# KiCad board AmigaPCI Mainboard.kicad_pcb (continued)
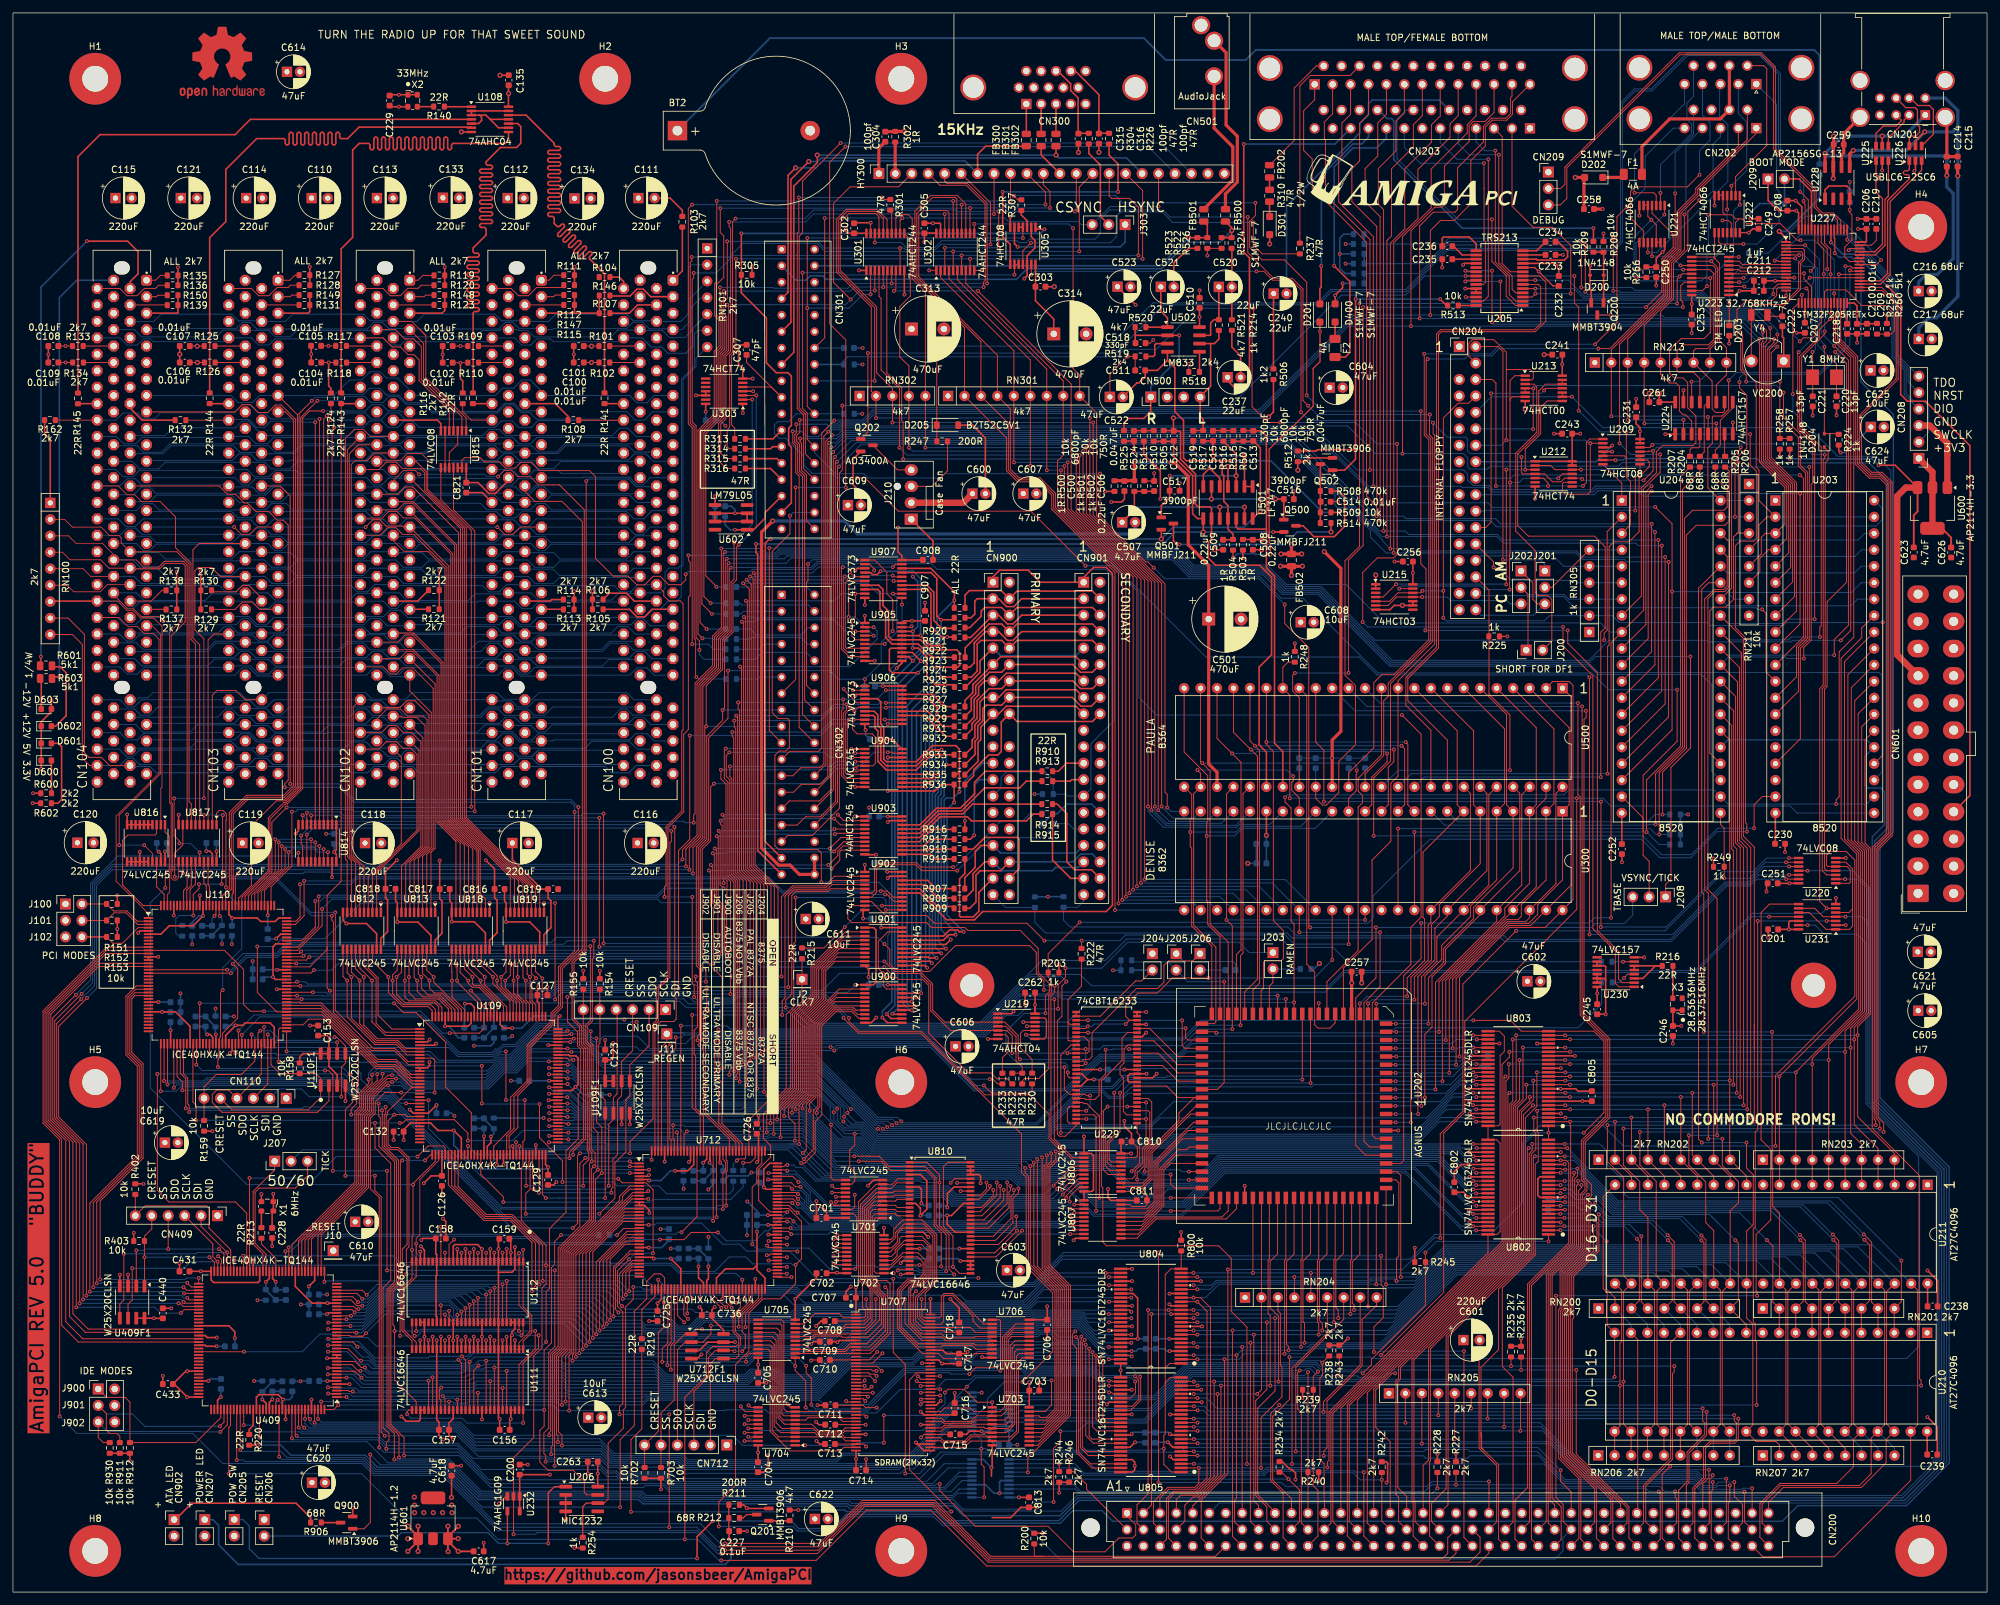
[diagram p0: board, top side]
## Footprints (pads in the part's own frame, mm; a bottom-side part is the same pattern mirrored in y, then rotated) (continued)
DIP-40_W15.24mm_Socket
  rect 1.6x1.6 hole 0.8: 1(0,0)
  oval 1.6x1.6 hole 0.8: 2(0,-2.54) 3(0,-5.08) 4(0,-7.62) 5(0,-10.16) 6(0,-12.7) 7(0,-15.24) 8(0,-17.78) 9(0,-20.32) 10(0,-22.86) 11(0,-25.4) 12(0,-27.94) 13(0,-30.48) 14(0,-33.02) 15(0,-35.56) 16(0,-38.1) 17(0,-40.64) 18(0,-43.18) 19(0,-45.72) 20(0,-48.26) 21(15.24,-48.26) 22(15.24,-45.72) 23(15.24,-43.18) 24(15.24,-40.64) 25(15.24,-38.1) 26(15.24,-35.56) 27(15.24,-33.02) 28(15.24,-30.48) 29(15.24,-27.94) 30(15.24,-25.4) 31(15.24,-22.86) 32(15.24,-20.32) 33(15.24,-17.78) 34(15.24,-15.24) 35(15.24,-12.7) 36(15.24,-10.16) 37(15.24,-7.62) 38(15.24,-5.08) 39(15.24,-2.54) 40(15.24,0)
DIP-48_W15.24mm
  rect 1.6x1.6 hole 0.8: 1(0,0)
  oval 1.6x1.6 hole 0.8: 2(0,-2.54) 3(0,-5.08) 4(0,-7.62) 5(0,-10.16) 6(0,-12.7) 7(0,-15.24) 8(0,-17.78) 9(0,-20.32) 10(0,-22.86) 11(0,-25.4) 12(0,-27.94) 13(0,-30.48) 14(0,-33.02) 15(0,-35.56) 16(0,-38.1) 17(0,-40.64) 18(0,-43.18) 19(0,-45.72) 20(0,-48.26) 21(0,-50.8) 22(0,-53.34) 23(0,-55.88) 24(0,-58.42) 25(15.24,-58.42) 26(15.24,-55.88) 27(15.24,-53.34) 28(15.24,-50.8) 29(15.24,-48.26) 30(15.24,-45.72) 31(15.24,-43.18) 32(15.24,-40.64) 33(15.24,-38.1) 34(15.24,-35.56) 35(15.24,-33.02) 36(15.24,-30.48) 37(15.24,-27.94) 38(15.24,-25.4) 39(15.24,-22.86) 40(15.24,-20.32) 41(15.24,-17.78) 42(15.24,-15.24) 43(15.24,-12.7) 44(15.24,-10.16) 45(15.24,-7.62) 46(15.24,-5.08) 47(15.24,-2.54) 48(15.24,0)
DSUB-9_Male_Stack
  rect 1.6x1.6 hole 1: 1(-5.588,11.02) 10(-5.588,17.82)
  round 1.6 hole 1: 2(-2.818,11.02) 3(-0.048,11.02) 4(2.722,11.02) 5(5.492,11.02) 6(-4.203,8.18) 7(-1.433,8.18) 8(1.337,8.18) 9(4.107,8.18) 11(-2.818,17.82) 12(-0.048,17.82) 13(2.722,17.82) 14(5.492,17.82) 15(-4.203,14.98) 16(-1.433,14.98) 17(1.337,14.98) 18(4.107,14.98)
  round 4 hole 3.2: 19(-12.548,16.4) 19(-12.548,8.5) 19(12.452,16.4) 19(12.452,8.5)
DSUB-15-HD_Female_Horizontal_P2.29x1.98mm_EdgePinOffset8.35mm_Housed_MountingHolesOffset10.89mm
  rect 1.6x1.6 hole 1: 1(4.572,13.97)
  round 1.6 hole 1: 2(2.282,13.97) 3(-0.008,13.97) 4(-2.298,13.97) 5(-4.588,13.97) 6(5.717,11.43) 7(3.427,11.43) 8(1.137,11.43) 9(-1.153,11.43) 10(-3.443,11.43) 11(4.572,8.89) 12(2.282,8.89) 13(-0.008,8.89) 14(-2.298,8.89) 15(-4.588,8.89)
  round 4 hole 3.2: 16(-12.243,11.43) 16(12.757,11.43)
DSUB-25_Stack_Female_Bottom_Male_Top
  rect 1.6x1.6 hole 1: 1(16.637,11.02) 26(-16.603,17.82)
  round 1.6 hole 1: 2(13.867,11.02) 3(11.097,11.02) 4(8.327,11.02) 5(5.557,11.02) 6(2.787,11.02) 7(0.017,11.02) 8(-2.753,11.02) 9(-5.523,11.02) 10(-8.293,11.02) 11(-11.063,11.02) 12(-13.833,11.02) 13(-16.603,11.02) 14(15.252,8.18) 15(12.482,8.18) 16(9.712,8.18) 17(6.942,8.18) 18(4.172,8.18) 19(1.402,8.18) 20(-1.368,8.18) 21(-4.138,8.18) 22(-6.908,8.18) 23(-9.678,8.18) 24(-12.448,8.18) 25(-15.218,8.18) 27(-13.833,17.82) 28(-11.049,17.82) 29(-8.293,17.82) 30(-5.523,17.82) 31(-2.753,17.82) 32(0.017,17.82) 33(2.794,17.82) 34(5.557,17.82) 35(8.327,17.82) 36(11.097,17.82) 37(13.843,17.82) 38(16.637,17.82) 39(-15.24,14.98) 40(-12.448,14.986) 41(-9.652,14.986) 42(-6.908,14.986) 43(-4.138,14.986) 44(-1.368,14.986) 45(1.397,14.986) 46(4.172,14.986) 47(6.942,14.986) 48(9.712,14.986) 49(12.482,14.986) 50(15.252,14.986)
  round 4 hole 3.2: 51(-23.533,16.4) 51(-23.533,8.5) 51(23.567,16.4) 51(23.567,8.5)
FanPinHeader_1x04_P2.54mm_Vertical
  round 1.1 hole 1.1 unplated: (5.08,2.16)
  rect 1.73x2.03 hole 1.02: 1(0,0)
  oval 1.73x2.03 hole 1.02: 2(2.54,0) 3(5.08,0) 4(7.62,0)
Floppy_PinHeader_2x17_P2.54mm
  rect 1.7x1.7 hole 1: 1(0,0)
  oval 1.7x1.7 hole 1: 2(2.54,0) 4(2.54,-2.54) 5(0,-5.08) 6(2.54,-5.08) 7(0,-7.62) 8(2.54,-7.62) 9(0,-10.16) 10(2.54,-10.16) 11(0,-12.7) 12(2.54,-12.7) 13(0,-15.24) 14(2.54,-15.24) 15(0,-17.78) 16(2.54,-17.78) 17(0,-20.32) 18(2.54,-20.32) 19(0,-22.86) 20(2.54,-22.86) 21(0,-25.4) 22(2.54,-25.4) 23(0,-27.94) 24(2.54,-27.94) 25(0,-30.48) 26(2.54,-30.48) 27(0,-33.02) 28(2.54,-33.02) 29(0,-35.56) 30(2.54,-35.56) 31(0,-38.1) 32(2.54,-38.1) 33(0,-40.64) 34(2.54,-40.64)
Fuse_1206_3216Metric
  rrect 1.25x1.75 smd: 1(-1.4,0) 2(1.4,0)
Jack_3.5mm_CUI_SJ1-3533NG_Horizontal_CircularHoles
  round 2.8 hole 2: R(2,-7.9) S(0,0) T(2,-2.4)
LED_0603_1608Metric
  rrect 0.875x0.95 smd: 1(-0.787,0) 2(0.787,0)
LQFP-64_10x10mm_P0.5mm
  rrect 1.55x0.3 smd: 1(-5.675,3.75) 2(-5.675,3.25) 3(-5.675,2.75) 4(-5.675,2.25) 5(-5.675,1.75) 6(-5.675,1.25) 7(-5.675,0.75) 8(-5.675,0.25) 9(-5.675,-0.25) 10(-5.675,-0.75) 11(-5.675,-1.25) 12(-5.675,-1.75) 13(-5.675,-2.25) 14(-5.675,-2.75) 15(-5.675,-3.25) 16(-5.675,-3.75) 33(5.675,-3.75) 34(5.675,-3.25) 35(5.675,-2.75) 36(5.675,-2.25) 37(5.675,-1.75) 38(5.675,-1.25) 39(5.675,-0.75) 40(5.675,-0.25) 41(5.675,0.25) 42(5.675,0.75) 43(5.675,1.25) 44(5.675,1.75) 45(5.675,2.25) 46(5.675,2.75) 47(5.675,3.25) 48(5.675,3.75)
  rrect 0.3x1.55 smd: 17(-3.75,-5.675) 18(-3.25,-5.675) 19(-2.75,-5.675) 20(-2.25,-5.675) 21(-1.75,-5.675) 22(-1.25,-5.675) 23(-0.75,-5.675) 24(-0.25,-5.675) 25(0.25,-5.675) 26(0.75,-5.675) 27(1.25,-5.675) 28(1.75,-5.675) 29(2.25,-5.675) 30(2.75,-5.675) 31(3.25,-5.675) 32(3.75,-5.675) 49(3.75,5.675) 50(3.25,5.675) 51(2.75,5.675) 52(2.25,5.675) 53(1.75,5.675) 54(1.25,5.675) 55(0.75,5.675) 56(0.25,5.675) 57(-0.25,5.675) 58(-0.75,5.675) 59(-1.25,5.675) 60(-1.75,5.675) 61(-2.25,5.675) 62(-2.75,5.675) 63(-3.25,5.675) 64(-3.75,5.675)
LQFP-144_20x20mm_P0.5mm
  rrect 1.475x0.3 smd: 1(-10.662,8.75) 2(-10.662,8.25) 3(-10.662,7.75) 4(-10.662,7.25) 5(-10.662,6.75) 6(-10.662,6.25) 7(-10.662,5.75) 8(-10.662,5.25) 9(-10.662,4.75) 10(-10.662,4.25) 11(-10.662,3.75) 12(-10.662,3.25) 13(-10.662,2.75) 14(-10.662,2.25) 15(-10.662,1.75) 16(-10.662,1.25) 17(-10.662,0.75) 18(-10.662,0.25) 19(-10.662,-0.25) 20(-10.662,-0.75) 21(-10.662,-1.25) 22(-10.662,-1.75) 23(-10.662,-2.25) 24(-10.662,-2.75) 25(-10.662,-3.25) 26(-10.662,-3.75) 27(-10.662,-4.25) 28(-10.662,-4.75) 29(-10.662,-5.25) 30(-10.662,-5.75) 31(-10.662,-6.25) 32(-10.662,-6.75) 33(-10.662,-7.25) 34(-10.662,-7.75) 35(-10.662,-8.25) 36(-10.662,-8.75) 73(10.662,-8.75) 74(10.662,-8.25) 75(10.662,-7.75) 76(10.662,-7.25) 77(10.662,-6.75) 78(10.662,-6.25) 79(10.662,-5.75) 80(10.662,-5.25) 81(10.662,-4.75) 82(10.662,-4.25) 83(10.662,-3.75) 84(10.662,-3.25) 85(10.662,-2.75) 86(10.662,-2.25) 87(10.662,-1.75) 88(10.662,-1.25) 89(10.662,-0.75) 90(10.662,-0.25) 91(10.662,0.25) 92(10.662,0.75) 93(10.662,1.25) 94(10.662,1.75) 95(10.662,2.25) 96(10.662,2.75) 97(10.662,3.25) 98(10.662,3.75) 99(10.662,4.25) 100(10.662,4.75) 101(10.662,5.25) 102(10.662,5.75) 103(10.662,6.25) 104(10.662,6.75) 105(10.662,7.25) 106(10.662,7.75) 107(10.662,8.25) 108(10.662,8.75)
  rrect 0.3x1.475 smd: 37(-8.75,-10.662) 38(-8.25,-10.662) 39(-7.75,-10.662) 40(-7.25,-10.662) 41(-6.75,-10.662) 42(-6.25,-10.662) 43(-5.75,-10.662) 44(-5.25,-10.662) 45(-4.75,-10.662) 46(-4.25,-10.662) 47(-3.75,-10.662) 48(-3.25,-10.662) 49(-2.75,-10.662) 50(-2.25,-10.662) 51(-1.75,-10.662) 52(-1.25,-10.662) 53(-0.75,-10.662) 54(-0.25,-10.662) 55(0.25,-10.662) 56(0.75,-10.662) 57(1.25,-10.662) 58(1.75,-10.662) 59(2.25,-10.662) 60(2.75,-10.662) 61(3.25,-10.662) 62(3.75,-10.662) 63(4.25,-10.662) 64(4.75,-10.662) 65(5.25,-10.662) 66(5.75,-10.662) 67(6.25,-10.662) 68(6.75,-10.662) 69(7.25,-10.662) 70(7.75,-10.662) 71(8.25,-10.662) 72(8.75,-10.662) 109(8.75,10.662) 110(8.25,10.662) 111(7.75,10.662) 112(7.25,10.662) 113(6.75,10.662) 114(6.25,10.662) 115(5.75,10.662) 116(5.25,10.662) 117(4.75,10.662) 118(4.25,10.662) 119(3.75,10.662) 120(3.25,10.662) 121(2.75,10.662) 122(2.25,10.662) 123(1.75,10.662) 124(1.25,10.662) 125(0.75,10.662) 126(0.25,10.662) 127(-0.25,10.662) 128(-0.75,10.662) 129(-1.25,10.662) 130(-1.75,10.662) 131(-2.25,10.662) 132(-2.75,10.662) 133(-3.25,10.662) 134(-3.75,10.662) 135(-4.25,10.662) 136(-4.75,10.662) 137(-5.25,10.662) 138(-5.75,10.662) 139(-6.25,10.662) 140(-6.75,10.662) 141(-7.25,10.662) 142(-7.75,10.662) 143(-8.25,10.662) 144(-8.75,10.662)
Molex_Mini-Fit_Jr_5566-24A_2x12_P4.20mm_Vertical
  rrect 2.7x3.3 hole 1.4: 1(0,0)
  oval 2.7x3.3 hole 1.4: 2(4.2,0) 3(8.4,0) 4(12.6,0) 5(16.8,0) 6(21,0) 7(25.2,0) 8(29.4,0) 9(33.6,0) 10(37.8,0) 11(42,0) 12(46.2,0) 13(0,-5.5) 14(4.2,-5.5) 15(8.4,-5.5) 16(12.6,-5.5) 17(16.8,-5.5) 18(21,-5.5) 19(25.2,-5.5) 20(29.4,-5.5) 21(33.6,-5.5) 22(37.8,-5.5) 23(42,-5.5) 24(46.2,-5.5)
MountingHole_3.5mm_Pad
  round 7 hole 3.5: 1(0,0)
MountingHole_4mm_Pad
  round 8 hole 4: 1(0,0)
Oscillator_SMD_ECS_2520MV-xxx-xx-4Pin_2.5x2.0mm
  rrect 0.8x0.9 smd: 1(-0.725,0.925) 2(-0.725,-0.925) 3(0.725,-0.925) 4(0.725,0.925)
PCI-5V
  oval 2.44x2 hole 2.44x2 unplated: (0,40.01) (0,-24.76)
  rrect 1.68x1.68 hole 1.02: A1(3.81,38.11) A2(1.27,36.84) A3(3.81,35.57) A4(1.27,34.3) A5(3.81,33.03) A6(1.27,31.76) A7(3.81,30.49) A8(1.27,29.22) A9(3.81,27.95) A10(1.27,26.68) A11(3.81,25.41) A12(1.27,24.13) A13(3.81,22.86) A14(1.27,21.59) A15(3.81,20.32) A16(1.27,19.05) A17(3.81,17.78) A18(1.27,16.51) A19(3.81,15.24) A20(1.27,13.97) A21(3.81,12.7) A22(1.27,11.43) A23(3.81,10.16) A24(1.27,8.89) A25(3.81,7.62) A26(1.27,6.35) A27(3.81,5.08) A28(1.27,3.81) A29(3.81,2.54) A30(1.27,1.27) A31(3.81,0) A32(1.27,-1.27) A33(3.81,-2.54) A34(1.27,-3.81) A35(3.81,-5.08) A36(1.27,-6.35) A37(3.81,-7.62) A38(1.27,-8.89) A39(3.81,-10.16) A40(1.27,-11.43) A41(3.81,-12.7) A42(1.27,-13.97) A43(3.81,-15.24) A44(1.27,-16.51) A45(3.81,-17.78) A46(1.27,-19.05) A47(3.81,-20.32) A48(1.27,-21.59) A49(3.81,-22.86) A52(1.27,-26.67) A53(3.81,-27.94) A54(1.27,-29.21) A55(3.81,-30.48) A56(1.27,-31.75) A57(3.81,-33.02) A58(1.27,-34.29) A59(3.81,-35.56) A60(1.27,-36.83) A61(3.81,-38.1) A62(1.27,-39.37) B1(-1.27,38.11) B2(-3.81,36.84) B3(-1.27,35.57) B4(-3.81,34.3) B5(-1.27,33.03) B6(-3.81,31.76) B7(-1.27,30.49) B8(-3.81,29.22) B9(-1.27,27.95) B10(-3.81,26.68) B11(-1.27,25.41) B12(-3.81,24.13) B13(-1.27,22.86) B14(-3.81,21.59) B15(-1.27,20.32) B16(-3.81,19.05) B17(-1.27,17.78) B18(-3.81,16.51) B19(-1.27,15.24) B20(-3.81,13.97) B21(-1.27,12.7) B22(-3.81,11.43) B23(-1.27,10.16) B24(-3.81,8.89) B25(-1.27,7.62) B26(-3.81,6.35) B27(-1.27,5.08) B28(-3.81,3.81) B29(-1.27,2.54) B30(-3.81,1.27) B31(-1.27,0) B32(-3.81,-1.27) B33(-1.27,-2.54) B34(-3.81,-3.81) B35(-1.27,-5.08) B36(-3.81,-6.35) B37(-1.27,-7.62) B38(-3.81,-8.89) B39(-1.27,-10.16) B40(-3.81,-11.43) B41(-1.27,-12.7) B42(-3.81,-13.97) B43(-1.27,-15.24) B44(-3.81,-16.51) B45(-1.27,-17.78) B46(-3.81,-19.05) B47(-1.27,-20.32) B48(-3.81,-21.59) B49(-1.27,-22.86) B52(-3.81,-26.67) B53(-1.27,-27.94) B54(-3.81,-29.21) B55(-1.27,-30.48) B56(-3.81,-31.75) B57(-1.27,-33.02) B58(-3.81,-34.29) B59(-1.27,-35.56) B60(-3.81,-36.83) B61(-1.27,-38.1) B62(-3.81,-39.37)
PinHeader_1x01_P2.54mm_Vertical
  rect 1.7x1.7 hole 1: 1(0,0)
PinHeader_1x02_P2.54mm_Vertical
  rect 1.7x1.7 hole 1: 1(0,0)
  oval 1.7x1.7 hole 1: 2(0,-2.54)
PinHeader_1x03_P2.54mm_Vertical
  rect 1.7x1.7 hole 1: 1(0,0)
  oval 1.7x1.7 hole 1: 2(0,-2.54) 3(0,-5.08)
PinHeader_1x04_P2.54mm_Vertical
  rect 1.7x1.7 hole 1: 1(0,0)
  oval 1.7x1.7 hole 1: 2(0,-2.54) 3(0,-5.08) 4(0,-7.62)
PinHeader_1x06_P2.54mm_Vertical
  rect 1.7x1.7 hole 1: 1(0,0)
  oval 1.7x1.7 hole 1: 2(0,-2.54) 3(0,-5.08) 4(0,-7.62) 5(0,-10.16) 6(0,-12.7)
PinHeader_2x03_P2.54mm_Vertical
  rect 1.7x1.7 hole 1: 1(0,0)
  oval 1.7x1.7 hole 1: 2(2.54,0) 3(0,-2.54) 4(2.54,-2.54) 5(0,-5.08) 6(2.54,-5.08)
PinSocket_1x22_P2.54mm_Vertical
  rect 1.7x1.7 hole 1: 1(0,0)
  oval 1.7x1.7 hole 1: 2(0,-2.54) 3(0,-5.08) 4(0,-7.62) 5(0,-10.16) 6(0,-12.7) 7(0,-15.24) 8(0,-17.78) 9(0,-20.32) 10(0,-22.86) 11(0,-25.4) 12(0,-27.94) 13(0,-30.48) 14(0,-33.02) 15(0,-35.56) 16(0,-38.1) 17(0,-40.64) 18(0,-43.18) 19(0,-45.72) 20(0,-48.26) 21(0,-50.8) 22(0,-53.34)
PLCC-84_SMD-Socket
  rect 0.7x1.925 smd: 1(0,14.213) 2(-1.27,14.213) 3(-2.54,14.213) 4(-3.81,14.213) 5(-5.08,14.213) 6(-6.35,14.213) 7(-7.62,14.213) 8(-8.89,14.213) 9(-10.16,14.213) 10(-11.43,14.213) 11(-12.7,14.213) 33(-12.7,-14.213) 34(-11.43,-14.213) 35(-10.16,-14.213) 36(-8.89,-14.213) 37(-7.62,-14.213) 38(-6.35,-14.213) 39(-5.08,-14.213) 40(-3.81,-14.213) 41(-2.54,-14.213) 42(-1.27,-14.213) 43(0,-14.213) 44(1.27,-14.213) 45(2.54,-14.213) 46(3.81,-14.213) 47(5.08,-14.213) 48(6.35,-14.213) 49(7.62,-14.213) 50(8.89,-14.213) 51(10.16,-14.213) 52(11.43,-14.213) 53(12.7,-14.213) 75(12.7,14.213) 76(11.43,14.213) 77(10.16,14.213) 78(8.89,14.213) 79(7.62,14.213) 80(6.35,14.213) 81(5.08,14.213) 82(3.81,14.213) 83(2.54,14.213) 84(1.27,14.213)
  rect 1.925x0.7 smd: 12(-14.213,12.7) 13(-14.213,11.43) 14(-14.213,10.16) 15(-14.213,8.89) 16(-14.213,7.62) 17(-14.213,6.35) 18(-14.213,5.08) 19(-14.213,3.81) 20(-14.213,2.54) 21(-14.213,1.27) 22(-14.213,0) 23(-14.213,-1.27) 24(-14.213,-2.54) 25(-14.213,-3.81) 26(-14.213,-5.08) 27(-14.213,-6.35) 28(-14.213,-7.62) 29(-14.213,-8.89) 30(-14.213,-10.16) 31(-14.213,-11.43) 32(-14.213,-12.7) 54(14.213,-12.7) 55(14.213,-11.43) 56(14.213,-10.16) 57(14.213,-8.89) 58(14.213,-7.62) 59(14.213,-6.35) 60(14.213,-5.08) 61(14.213,-3.81) 62(14.213,-2.54) 63(14.213,-1.27) 64(14.213,0) 65(14.213,1.27) 66(14.213,2.54) 67(14.213,3.81) 68(14.213,5.08) 69(14.213,6.35) 70(14.213,7.62) 71(14.213,8.89) 72(14.213,10.16) 73(14.213,11.43) 74(14.213,12.7)
R_0603_1608Metric
  rrect 0.8x0.95 smd: 1(-0.825,0) 2(0.825,0)
R_0805_2012Metric
  rrect 1.025x1.4 smd: 1(-0.912,0) 2(0.912,0)
R_Array_SIP5
  rect 1.6x1.6 hole 0.8: 1(0,0)
  oval 1.6x1.6 hole 0.8: 2(2.54,0) 3(5.08,0) 4(7.62,0) 5(10.16,0)
R_Array_SIP6
  rect 1.6x1.6 hole 0.8: 1(0,0)
  oval 1.6x1.6 hole 0.8: 2(2.54,0) 3(5.08,0) 4(7.62,0) 5(10.16,0) 6(12.7,0)
R_Array_SIP7
  rect 1.6x1.6 hole 0.8: 1(0,0)
  oval 1.6x1.6 hole 0.8: 2(2.54,0) 3(5.08,0) 4(7.62,0) 5(10.16,0) 6(12.7,0) 7(15.24,0)
R_Array_SIP9
  rect 1.6x1.6 hole 0.8: 1(0,0)
  oval 1.6x1.6 hole 0.8: 2(2.54,0) 3(5.08,0) 4(7.62,0) 5(10.16,0) 6(12.7,0) 7(15.24,0) 8(17.78,0) 9(20.32,0)
SOIC-8_3.9x4.9mm_P1.27mm
  rrect 1.95x0.6 smd: 1(-2.475,1.905) 2(-2.475,0.635) 3(-2.475,-0.635) 4(-2.475,-1.905) 5(2.475,-1.905) 6(2.475,-0.635) 7(2.475,0.635) 8(2.475,1.905)
SOIC-14_3.9x8.7mm_P1.27mm
  rrect 1.95x0.6 smd: 1(-2.475,3.81) 2(-2.475,2.54) 3(-2.475,1.27) 4(-2.475,0) 5(-2.475,-1.27) 6(-2.475,-2.54) 7(-2.475,-3.81) 8(2.475,-3.81) 9(2.475,-2.54) 10(2.475,-1.27) 11(2.475,0) 12(2.475,1.27) 13(2.475,2.54) 14(2.475,3.81)
SOIC-16_3.9x9.9mm_P1.27mm
  rrect 1.95x0.6 smd: 1(-2.475,4.445) 2(-2.475,3.175) 3(-2.475,1.905) 4(-2.475,0.635) 5(-2.475,-0.635) 6(-2.475,-1.905) 7(-2.475,-3.175) 8(-2.475,-4.445) 9(2.475,-4.445) 10(2.475,-3.175) 11(2.475,-1.905) 12(2.475,-0.635) 13(2.475,0.635) 14(2.475,1.905) 15(2.475,3.175) 16(2.475,4.445)
SOT-23
  rrect 1.475x0.6 smd: 1(-0.938,0.95) 2(-0.938,-0.95) 3(0.938,0)
SOT-23-5
  rrect 1.325x0.6 smd: 1(-1.137,0.95) 2(-1.137,0) 3(-1.137,-0.95) 4(1.137,-0.95) 5(1.137,0.95)
SOT-23-6
  rrect 1.325x0.6 smd: 1(-1.137,0.95) 2(-1.137,0) 3(-1.137,-0.95) 4(1.137,-0.95) 5(1.137,0) 6(1.137,0.95)
SOT-223-3_TabPin2
  rrect 2x1.5 smd: 1(-3.15,2.3) 2(-3.15,0) 3(-3.15,-2.3)
  rrect 2x3.8 smd: 2(3.15,0)
SSOP-28_5.3x10.2mm_P0.65mm
  rect 1.75x0.45 smd: 1(-3.6,4.225) 2(-3.6,3.575) 3(-3.6,2.925) 4(-3.6,2.275) 5(-3.6,1.625) 6(-3.6,0.975) 7(-3.6,0.325) 8(-3.6,-0.325) 9(-3.6,-0.975) 10(-3.6,-1.625) 11(-3.6,-2.275) 12(-3.6,-2.925) 13(-3.6,-3.575) 14(-3.6,-4.225) 15(3.6,-4.225) 16(3.6,-3.575) 17(3.6,-2.925) 18(3.6,-2.275) 19(3.6,-1.625) 20(3.6,-0.975) 21(3.6,-0.325) 22(3.6,0.325) 23(3.6,0.975) 24(3.6,1.625) 25(3.6,2.275) 26(3.6,2.925) 27(3.6,3.575) 28(3.6,4.225)
SSOP-56_7.5x18.5mm_P0.635mm
  rect 1.2x0.4 smd: 1(-4.7,8.572) 2(-4.7,7.938) 3(-4.7,7.303) 4(-4.7,6.668) 5(-4.7,6.032) 6(-4.7,5.397) 7(-4.7,4.763) 8(-4.7,4.128) 9(-4.7,3.493) 10(-4.7,2.857) 11(-4.7,2.223) 12(-4.7,1.587) 13(-4.7,0.953) 14(-4.7,0.318) 15(-4.7,-0.318) 16(-4.7,-0.953) 17(-4.7,-1.587) 18(-4.7,-2.223) 19(-4.7,-2.857) 20(-4.7,-3.493) 21(-4.7,-4.128) 22(-4.7,-4.763) 23(-4.7,-5.397) 24(-4.7,-6.032) 25(-4.7,-6.668) 26(-4.7,-7.303) 27(-4.7,-7.938) 28(-4.7,-8.572) 29(4.7,-8.572) 30(4.7,-7.938) 31(4.7,-7.303) 32(4.7,-6.668) 33(4.7,-6.032) 34(4.7,-5.397) 35(4.7,-4.763) 36(4.7,-4.128) 37(4.7,-3.493) 38(4.7,-2.857) 39(4.7,-2.223) 40(4.7,-1.587) 41(4.7,-0.953) 42(4.7,-0.318) 43(4.7,0.318) 44(4.7,0.953) 45(4.7,1.587) 46(4.7,2.223) 47(4.7,2.857) 48(4.7,3.493) 49(4.7,4.128) 50(4.7,4.763) 51(4.7,5.397) 52(4.7,6.032) 53(4.7,6.668) 54(4.7,7.303) 55(4.7,7.938) 56(4.7,8.572)
TrimmerCap
  rect 2x2 hole 1.2: 1(-2.5,0)
  round 2 hole 1.2: 2(2.5,0)
TSOP-II-86
  rect 1.51x0.27 smd: 1(-5.75,10.5) 2(-5.75,10) 3(-5.75,9.5) 4(-5.75,9) 5(-5.75,8.5) 6(-5.75,8) 7(-5.75,7.5) 8(-5.75,7) 9(-5.75,6.5) 10(-5.75,6) 11(-5.75,5.5) 12(-5.75,5) 13(-5.75,4.5) 14(-5.75,4) 15(-5.75,3.5) 16(-5.75,3) 17(-5.75,2.5) 18(-5.75,2) 19(-5.75,1.5) 20(-5.75,1) 21(-5.75,0.5) 22(-5.75,0) 23(-5.75,-0.5) 24(-5.75,-1) 25(-5.75,-1.5) 26(-5.75,-2) 27(-5.75,-2.5) 28(-5.75,-3) 29(-5.75,-3.5) 30(-5.75,-4) 31(-5.75,-4.5) 32(-5.75,-5) 33(-5.75,-5.5) 34(-5.75,-6) 35(-5.75,-6.5) 36(-5.75,-7) 37(-5.75,-7.5) 38(-5.75,-8) 39(-5.75,-8.5) 40(-5.75,-9) 41(-5.75,-9.5) 42(-5.75,-10) 43(-5.75,-10.5) 44(5.75,-10.5) 45(5.75,-10) 46(5.75,-9.5) 47(5.75,-9) 48(5.75,-8.5) 49(5.75,-8) 50(5.75,-7.5) 51(5.75,-7) 52(5.75,-6.5) 53(5.75,-6) 54(5.75,-5.5) 55(5.75,-5) 56(5.75,-4.5) 57(5.75,-4) 58(5.75,-3.5) 59(5.75,-3) 60(5.75,-2.5) 61(5.75,-2) 62(5.75,-1.5) 63(5.75,-1) 64(5.75,-0.5) 65(5.75,0) 66(5.75,0.5) 67(5.75,1) 68(5.75,1.5) 69(5.75,2) 70(5.75,2.5) 71(5.75,3) 72(5.75,3.5) 73(5.75,4) 74(5.75,4.5) 75(5.75,5) 76(5.75,5.5) 77(5.75,6) 78(5.75,6.5) 79(5.75,7) 80(5.75,7.5) 81(5.75,8) 82(5.75,8.5) 83(5.75,9) 84(5.75,9.5) 85(5.75,10) 86(5.75,10.5)
TSSOP-14_4.4x5mm_P0.65mm
  rrect 1.475x0.4 smd: 1(-2.862,1.95) 2(-2.862,1.3) 3(-2.862,0.65) 4(-2.862,0) 5(-2.862,-0.65) 6(-2.862,-1.3) 7(-2.862,-1.95) 8(2.862,-1.95) 9(2.862,-1.3) 10(2.862,-0.65) 11(2.862,0) 12(2.862,0.65) 13(2.862,1.3) 14(2.862,1.95)
TSSOP-16_4.4x5mm_P0.65mm
  rrect 1.475x0.4 smd: 1(-2.862,2.275) 2(-2.862,1.625) 3(-2.862,0.975) 4(-2.862,0.325) 5(-2.862,-0.325) 6(-2.862,-0.975) 7(-2.862,-1.625) 8(-2.862,-2.275) 9(2.862,-2.275) 10(2.862,-1.625) 11(2.862,-0.975) 12(2.862,-0.325) 13(2.862,0.325) 14(2.862,0.975) 15(2.862,1.625) 16(2.862,2.275)
TSSOP-20_4.4x6.5mm_P0.65mm
  rrect 1.475x0.4 smd: 1(-2.862,2.925) 2(-2.862,2.275) 3(-2.862,1.625) 4(-2.862,0.975) 5(-2.862,0.325) 6(-2.862,-0.325) 7(-2.862,-0.975) 8(-2.862,-1.625) 9(-2.862,-2.275) 10(-2.862,-2.925) 11(2.862,-2.925) 12(2.862,-2.275) 13(2.862,-1.625) 14(2.862,-0.975) 15(2.862,-0.325) 16(2.862,0.325) 17(2.862,0.975) 18(2.862,1.625) 19(2.862,2.275) 20(2.862,2.925)
USB_A_Wuerth_61400826021_Horizontal_Stacked
  rect 1.5x1.5 hole 0.92: 1(0,0)
  round 1.5 hole 0.92: 2(2.5,0) 3(4.5,0) 4(7,0) 5(0,-2.62) 6(2.5,-2.62) 7(4.5,-2.62) 8(7,-2.62)
  round 3 hole 2.3: 9(-3.07,0.35) 9(-3.07,-5.33) 9(10.07,0.35) 9(10.07,-5.33)

## Nets
+1V2: C124.1 C125.1 C126.1 C127.1 C140.1 C141.1 C142.1 C143.1 C420.1 C421.1 C429.1 C430.1 C610.1 C618.2 C619.1 C724.1 C725.1 C726.1 C727.1 CN200.a6 R156.2 R157.2 R160.2 R161.2 R400.2 R401.1 R700.2 R701.1 U109.27 U109.40 U109.92 U109.111 U110.27 U110.40 U110.92 U110.111 U227.17 U409.27 U409.40 U409.92 U409.111 U601.2 U712.27 U712.40 U712.92 U712.111
+3V3: C116.1 C117.1 C118.1 C119.1 C120.1 C123.2 C128.1 C129.1 C130.1 C131.1 C132.1 C135.1 C144.1 C145.1 C146.1 C147.1 C148.1 C153.2 C156.1 C157.1 C158.1 C159.1 C201.1 C228.1 C229.1 C245.1 C246.1 C251.1 C431.1 C432.1 C433.1 C434.1 C435.1 C440.2 C609.1 C611.1 C613.1 C617.2 C620.1 C621.1 C622.1 C701.1 C702.1 C703.1 C704.1 C705.1 C706.1 C707.1 C708.1 C709.1 C710.1 C711.1 C712.1 C713.1 C714.1 C715.1 C716.1 C717.1 C718.1 C719.1 C720.1 C721.1 C722.1 C723.1 C736.2 C802.1 C803.1 C808.1 C809.1 C810.1 C811.1 C812.1 C813.1 C814.1 C815.1 C816.1 C817.1 C818.1 C819.1 C820.2 C821.2 C822.2 C823.2 C824.1 C825.1 C900.1 C901.1 C902.1 C905.1 C906.1 C907.1 C908.1 CN100.A21 CN100.A27 CN100.A33 CN100.A39 CN100.A45 CN100.A53 CN100.B25 CN100.B31 CN100.B36 CN100.B41 CN100.B43 CN100.B54 CN101.A21 CN101.A27 CN101.A33 CN101.A39 CN101.A45 CN101.A53 CN101.B25 CN101.B31 CN101.B36 CN101.B41 CN101.B43 CN101.B54 CN102.A21 CN102.A27 CN102.A33 CN102.A39 CN102.A45 CN102.A53 CN102.B25 CN102.B31 CN102.B36 CN102.B41 CN102.B43 CN102.B54 CN103.A21 CN103.A27 CN103.A33 CN103.A39 CN103.A45 CN103.A53 CN103.B25 CN103.B31 CN103.B36 CN103.B41 CN103.B43 CN103.B54 CN104.A21 CN104.A27 CN104.A33 CN104.A39 CN104.A45 CN104.A53 CN104.B25 CN104.B31 CN104.B36 CN104.B41 CN104.B43 CN104.B54 CN200.a21 CN200.a34 CN200.b5 CN200.b6 CN200.c13 CN200.c14 CN601.1 CN601.2 CN601.12 CN601.13 Q900.2 R151.1 R152.1 R153.1 R154.1 R155.1 R158.1 R159.1 R163.2 R254.2 R255.1 R265.1 R402.1 R403.1 R602.1 R702.1 R703.1 R911.2 R912.2 R930.2 RN101.1 U108.14 U109.6 U109.30 U109.46 U109.57 U109.72 U109.89 U109.100 U109.108 U109.123 U109.131 U109F1.3 U109F1.7 U109F1.8 U110.6 U110.30 U110.46 U110.57 U110.72 U110.89 U110.100 U110.108 U110.123 U110.131 U110F1.3 U110F1.7 U110F1.8 U111.3 U111.7 U111.22 U111.26 U111.35 U111.50 U112.3 U112.7 U112.22 U112.26 U112.35 U112.50 U220.14 U230.16 U231.2 U231.12 U231.14 U409.6 U409.30 U409.46 U409.57 U409.72 U409.89 U409.100 U409.108 U409.123 U409.131 U409F1.3 U409F1.7 U409F1.8 U601.3 U701.20 U702.20 U703.20 U704.20 U705.20 U706.20 U707.1 U707.3 U707.9 U707.15 U707.29 U707.35 U707.41 U707.43 U707.49 U707.55 U707.75 U707.81 U712.6 U712.30 U712.46 U712.57 U712.72 U712.89 U712.100 U712.108 U712.123 U712.131 U712F1.3 U712F1.7 U712F1.8 U802.31 U802.42 U803.31 U803.42 U804.31 U804.42 U805.31 U805.42 U806.20 U807.20 U808.20 U809.20 U810.7 U810.22 U810.35 U810.50 U812.20 U813.20 U814.1 U814.20 U815.14 U816.20 U817.20 U818.20 U819.20 U900.20 U901.20 U902.1 U902.20 U904.1 U904.20 U905.1 U905.20 U906.20 U907.20 X1.1 X1.4 X2.1 X2.4 X3.1 X3.4
+3V3SB: C206.1 C207.1 C208.1 C209.1 C210.1 C211.1 C212.1 C624.1 C625.1 C626.2 CN208.1 J209.1 R224.1 R259.1 U227.13 U227.19 U227.32 U227.48 U227.64 U600.2
+5V: C100.1 C101.1 C102.1 C103.1 C104.1 C105.1 C106.1 C107.1 C108.1 C109.1 C111.1 C112.1 C113.1 C114.1 C115.1 C200.1 C230.1 C231.1 C232.1 C233.2 C238.1 C239.1 C241.2 C243.2 C249.1 C250.1 C252.2 C253.1 C256.2 C257.1 C258.1 C259.1 C261.2 C262.1 C263.1 C267.1 C300.1 C301.1 C304.1 C306.1 C601.1 C602.1 C603.1 C604.1 C605.1 C606.1 C607.1 C608.1 C804.1 C805.1 C806.1 C807.1 C904.1 CN100.A5 CN100.A8 CN100.A10 CN100.A16 CN100.A59 CN100.A61 CN100.A62 CN100.B5 CN100.B6 CN100.B19 CN100.B59 CN100.B61 CN100.B62 CN101.A5 CN101.A8 CN101.A10 CN101.A16 CN101.A59 CN101.A61 CN101.A62 CN101.B5 CN101.B6 CN101.B19 CN101.B59 CN101.B61 CN101.B62 CN102.A5 CN102.A8 CN102.A10 CN102.A16 CN102.A59 CN102.A61 CN102.A62 CN102.B5 CN102.B6 CN102.B19 CN102.B59 CN102.B61 CN102.B62 CN103.A5 CN103.A8 CN103.A10 CN103.A16 CN103.A59 CN103.A61 CN103.A62 CN103.B5 CN103.B6 CN103.B19 CN103.B59 CN103.B61 CN103.B62 CN104.A5 CN104.A8 CN104.A10 CN104.A16 CN104.A59 CN104.A61 CN104.A62 CN104.B5 CN104.B6 CN104.B19 CN104.B59 CN104.B61 CN104.B62 CN200.a7 CN200.a22 CN200.a25 CN200.a26 CN200.a33 CN200.c5 CN301.6 CN301.8 CN601.4 CN601.6 CN601.21 CN601.22 CN601.23 D202.2 D203.2 D301.2 Q201.2 R101.2 R102.2 R105.1 R106.1 R107.1 R108.2 R109.2 R110.2 R113.1 R114.1 R115.1 R116.2 R117.2 R118.2 R121.1 R122.1 R123.1 R124.2 R125.2 R126.2 R129.1 R130.1 R131.1 R132.2 R133.2 R134.2 R137.1 R138.1 R139.1 R146.1 R147.1 R148.1 R149.1 R150.1 R162.2 R212.1 R223.1 R225.1 R227.1 R228.1 R229.1 R234.1 R235.1 R236.1 R238.1 R239.1 R240.1 R242.1 R243.1 R244.1 R245.1 R246.1 R248.1 R249.1 R263.1 R266.1 R300.2 R302.2 R305.2 R308.2 R500.1 R600.1 R900.1 R903.2 R904.2 RJ203.1 RN100.1 RN200.1 RN201.1 RN202.1 RN203.1 RN204.1 RN205.1 RN206.1 RN207.1 RN211.1 RN213.1 RN305.1 U202.15 U202.19 U203.20 U204.20 U205.11 U205.24 U205.25 U206.8 U209.4 U209.13 U209.14 U210.40 U211.40 U212.1 U212.13 U212.14 U213.14 U215.14 U219.14 U221.14 U222.14 U223.20 U224.16 U228.7 U229.12 U229.14 U229.25 U229.43 U232.1 U232.5 U300.19 U303.1 U303.4 U303.14 U305.2 U305.12 U802.7 U802.18 U803.7 U803.18 U804.7 U804.18 U805.7 U805.18 U903.1 U903.20
+5VSB: C623.2 CN601.9 R257.1 U600.3
+12V: C110.1 C133.1 C134.1 C600.1 CN100.A2 CN101.A2 CN102.A2 CN103.A2 CN104.A2 CN301.10 CN601.10 CN601.11 D400.2 J210.2 R261.1 R503.1 R601.1
-5V: C615.2 CN301.31 U602.1
-12V: C121.2 C614.2 C616.2 CN100.B1 CN101.B1 CN102.B1 CN103.B1 CN104.B1 CN601.14 D201.1 R260.2 R504.2 R603.2 U602.2 U602.3 U602.6 U602.7
/Agnus Multiadapter/GND_PAL_NTSC: J205.2 R223.2 U202.41
/HID and User Ports/+5VMOUSE: CN202.7 CN202.16 F1.2
/HID and User Ports/VBAT_STM: R201.2 U227.1
/HID and User Ports/VBUS1: C214.1 C216.1 CN201.1 U225.5 U228.8
/HID and User Ports/VBUS2: C215.1 C217.1 CN201.5 U226.5 U228.5
GND: BT2.2 C100.2 C101.2 C102.2 C103.2 C104.2 C105.2 C106.2 C107.2 C108.2 C109.2 C110.2 C111.2 C112.2 C113.2 C114.2 C115.2 C116.2 C117.2 C118.2 C119.2 C120.2 C121.1 C123.1 C124.2 C125.2 C126.2 C127.2 C128.2 C129.2 C130.2 C131.2 C132.2 C133.2 C134.2 C135.2 C140.2 C141.2 C142.2 C143.2 C144.2 C145.2 C146.2 C147.2 C148.2 C153.1 C156.2 C157.2 C158.2 C159.2 C200.2 C201.2 C206.2 C207.2 C208.2 C209.2 C210.2 C211.2 C212.2 C213.1 C214.2 C215.2 C216.2 C217.2 C218.2 C219.2 C220.2 C221.2 C222.2 C227.2 C228.2 C229.2 C230.2 C231.2 C232.2 C235.2 C238.2 C239.2 C241.1 C243.1 C245.2 C246.2 C249.2 C250.2 C251.2 C252.1 C253.2 C256.1 C257.2 C258.2 C259.2 C261.1 C262.2 C263.2 C267.2 C300.2 C301.2 C302.2 C303.2 C304.2 C305.2 C306.2 C307.2 C312.2 C313.2 C314.2 C315.2 C316.2 C420.2 C421.2 C429.2 C430.2 C431.2 C432.2 C433.2 C434.2 C435.2 C440.1 C500.2 C501.2 C600.2 C601.2 C602.2 C603.2 C604.2 C605.2 C606.2 C607.2 C608.2 C609.2 C610.2 C611.2 C613.2 C614.1 C615.1 C616.1 C617.1 C618.1 C619.2 C620.2 C621.2 C622.2 C623.1 C624.2 C625.2 C626.1 C701.2 C702.2 C703.2 C704.2 C705.2 C706.2 C707.2 C708.2 C709.2 C710.2 C711.2 C712.2 C713.2 C714.2 C715.2 C716.2 C717.2 C718.2 C719.2 C720.2 C721.2 C722.2 C723.2 C724.2 C725.2 C726.2 C727.2 C736.1 C802.2 C803.2 C804.2 C805.2 C806.2 C807.2 C808.2 C809.2 C810.2 C811.2 C812.2 C813.2 C814.2 C815.2 C816.2 C817.2 C818.2 C819.2 C820.1 C821.1 C822.1 C823.1 C824.2 C825.2 C900.2 C901.2 C902.2 C904.2 C905.2 C906.2 C907.2 C908.2 CN100.A12 CN100.A13 CN100.A18 CN100.A24 CN100.A30 CN100.A35 CN100.A37 CN100.A42 CN100.A48 CN100.A56 CN100.B3 CN100.B12 CN100.B13 CN100.B15 CN100.B17 CN100.B22 CN100.B28 CN100.B34 CN100.B38 CN100.B46 CN100.B49 CN100.B57 CN101.A12 CN101.A13 CN101.A18 CN101.A24 CN101.A30 CN101.A35 CN101.A37 CN101.A42 CN101.A48 CN101.A56 CN101.B3 CN101.B12 CN101.B13 CN101.B15 CN101.B17 CN101.B22 CN101.B28 CN101.B34 CN101.B38 CN101.B46 CN101.B49 CN101.B57 CN102.A12 CN102.A13 CN102.A18 CN102.A24 CN102.A30 CN102.A35 CN102.A37 CN102.A42 CN102.A48 CN102.A56 CN102.B3 CN102.B12 CN102.B13 CN102.B15 CN102.B17 CN102.B22 CN102.B28 CN102.B34 CN102.B38 CN102.B46 CN102.B49 CN102.B57 CN103.A12 CN103.A13 CN103.A18 CN103.A24 CN103.A30 CN103.A35 CN103.A37 CN103.A42 CN103.A48 CN103.A56 CN103.B3 CN103.B12 CN103.B13 CN103.B15 CN103.B17 CN103.B22 CN103.B28 CN103.B34 CN103.B38 CN103.B46 CN103.B49 CN103.B57 CN104.A12 CN104.A13 CN104.A18 CN104.A24 CN104.A30 CN104.A35 CN104.A37 CN104.A42 CN104.A48 CN104.A56 CN104.B3 CN104.B12 CN104.B13 CN104.B15 CN104.B17 CN104.B22 CN104.B28 CN104.B34 CN104.B38 CN104.B46 CN104.B49 CN104.B57 CN109.1 CN110.1 CN200.a24 CN200.a29 CN200.a30 CN200.a37 CN200.a38 CN200.b7 CN200.c1 CN200.c2 CN200.c9 CN200.c10 CN200.c17 CN200.c18 CN201.4 CN201.8 CN201.9 CN202.8 CN202.17 CN202.19 CN203.17 CN203.18 CN203.19 CN203.20 CN203.21 CN203.22 CN203.23 CN203.24 CN203.25 CN203.26 CN203.32 CN203.51 CN204.1 CN204.5 CN204.7 CN204.9 CN204.11 CN204.13 CN204.15 CN204.17 CN204.19 CN204.21 CN204.23 CN204.25 CN204.27 CN204.29 CN204.31 CN204.33 CN205.2 CN206.1 CN207.2 CN208.3 CN209.1 CN300.5 CN300.6 CN300.7 CN300.8 CN300.10 CN300.16 CN301.9 CN301.12 CN301.13 CN301.17 CN301.20 CN301.21 CN301.24 CN301.32 CN302.1 CN302.5 CN302.9 CN302.12 CN302.22 CN302.32 CN409.1 CN501.S CN601.3 CN601.5 CN601.7 CN601.15 CN601.17 CN601.18 CN601.19 CN601.24 CN712.1 CN900.2 CN900.19 CN900.22 CN900.24 CN900.26 CN900.28 CN900.30 CN900.40 CN901.2 CN901.19 CN901.22 CN901.24 CN901.26 CN901.28 CN901.30 CN901.40 CN902.2 D200.2 D205.2 D600.1 D601.1 D602.1 D603.2 FB502.2 H1.1 H2.1 H3.1 H4.1 H5.1 H6.1 H7.1 H8.1 H9.1 H10.1 H11.1 H12.1 HY300.1 HY300.22 J204.1 J205.1 J210.1 J901.2 J901.4 J901.6 JPCI1.1 JPCI1.3 JPCI1.5 Q200.2 Q202.2 R103.2 R104.1 R111.2 R112.1 R119.2 R120.1 R127.2 R128.1 R135.2 R136.1 R200.2 R202.2 R203.2 R208.2 R256.2 R258.2 R262.2 R264.2 R303.1 R309.1 R311.1 R312.1 R800.2 R901.2 R902.2 U108.7 U109.5 U109.13 U109.14 U109.59 U109.69 U109.86 U109.103 U109.132 U109.140 U109F1.4 U110.5 U110.13 U110.14 U110.59 U110.69 U110.86 U110.103 U110.132 U110.140 U110F1.4 U111.4 U111.11 U111.18 U111.25 U111.31 U111.32 U111.39 U111.46 U111.53 U111.54 U112.4 U112.11 U112.18 U112.25 U112.31 U112.32 U112.39 U112.46 U112.53 U112.54 U202.58 U202.82 U203.1 U204.1 U205.10 U205.18 U206.2 U206.3 U206.4 U209.7 U210.2 U210.11 U210.30 U211.2 U211.11 U211.30 U212.7 U213.7 U215.1 U215.2 U215.7 U215.9 U215.10 U219.1 U219.7 U220.7 U221.7 U222.7 U222.12 U223.1 U223.10 U224.8 U224.15 U225.2 U226.2 U227.12 U227.18 U227.63 U228.6 U229.11 U229.13 U229.22 U229.27 U229.28 U229.44 U229.47 U230.8 U230.10 U230.11 U230.13 U230.14 U230.15 U231.7 U232.3 U300.37 U301.1 U301.10 U301.19 U302.1 U302.10 U302.19 U303.7 U303.11 U303.12 U305.7 U409.5 U409.13 U409.14 U409.59 U409.69 U409.86 U409.103 U409.132 U409.140 U409F1.4 U500.8 U600.1 U601.1 U602.5 U701.10 U702.10 U703.10 U704.10 U705.10 U706.10 U707.6 U707.12 U707.32 U707.38 U707.44 U707.46 U707.52 U707.58 U707.72 U707.78 U707.84 U707.86 U712.5 U712.13 U712.14 U712.59 U712.69 U712.86 U712.103 U712.132 U712.140 U712F1.4 U802.4 U802.10 U802.15 U802.21 U802.28 U802.34 U802.39 U802.45 U803.4 U803.10 U803.15 U803.21 U803.28 U803.34 U803.39 U803.45 U804.4 U804.10 U804.15 U804.21 U804.25 U804.28 U804.34 U804.39 U804.45 U804.48 U805.4 U805.10 U805.15 U805.21 U805.25 U805.28 U805.34 U805.39 U805.45 U805.48 U806.1 U806.10 U806.19 U807.1 U807.10 U807.19 U808.10 U808.19 U809.4 U809.10 U809.16 U809.19 U810.4 U810.11 U810.18 U810.25 U810.30 U810.31 U810.32 U810.39 U810.46 U810.53 U810.54 U810.55 U812.10 U812.19 U813.10 U813.19 U814.10 U814.19 U815.7 U816.4 U816.5 U816.6 U816.7 U816.8 U816.9 U816.10 U816.11 U816.12 U816.13 U816.14 U816.15 U816.16 U816.19 U817.10 U817.19 U818.10 U818.19 U819.10 U819.19 U900.10 U901.10 U902.10 U902.19 U903.10 U903.19 U904.10 U905.10 U906.10 U907.10 VC200.1 X1.2 X2.2 X3.2